# Altium PCB MB1166.PcbDoc (part 16 of 39) (continued)
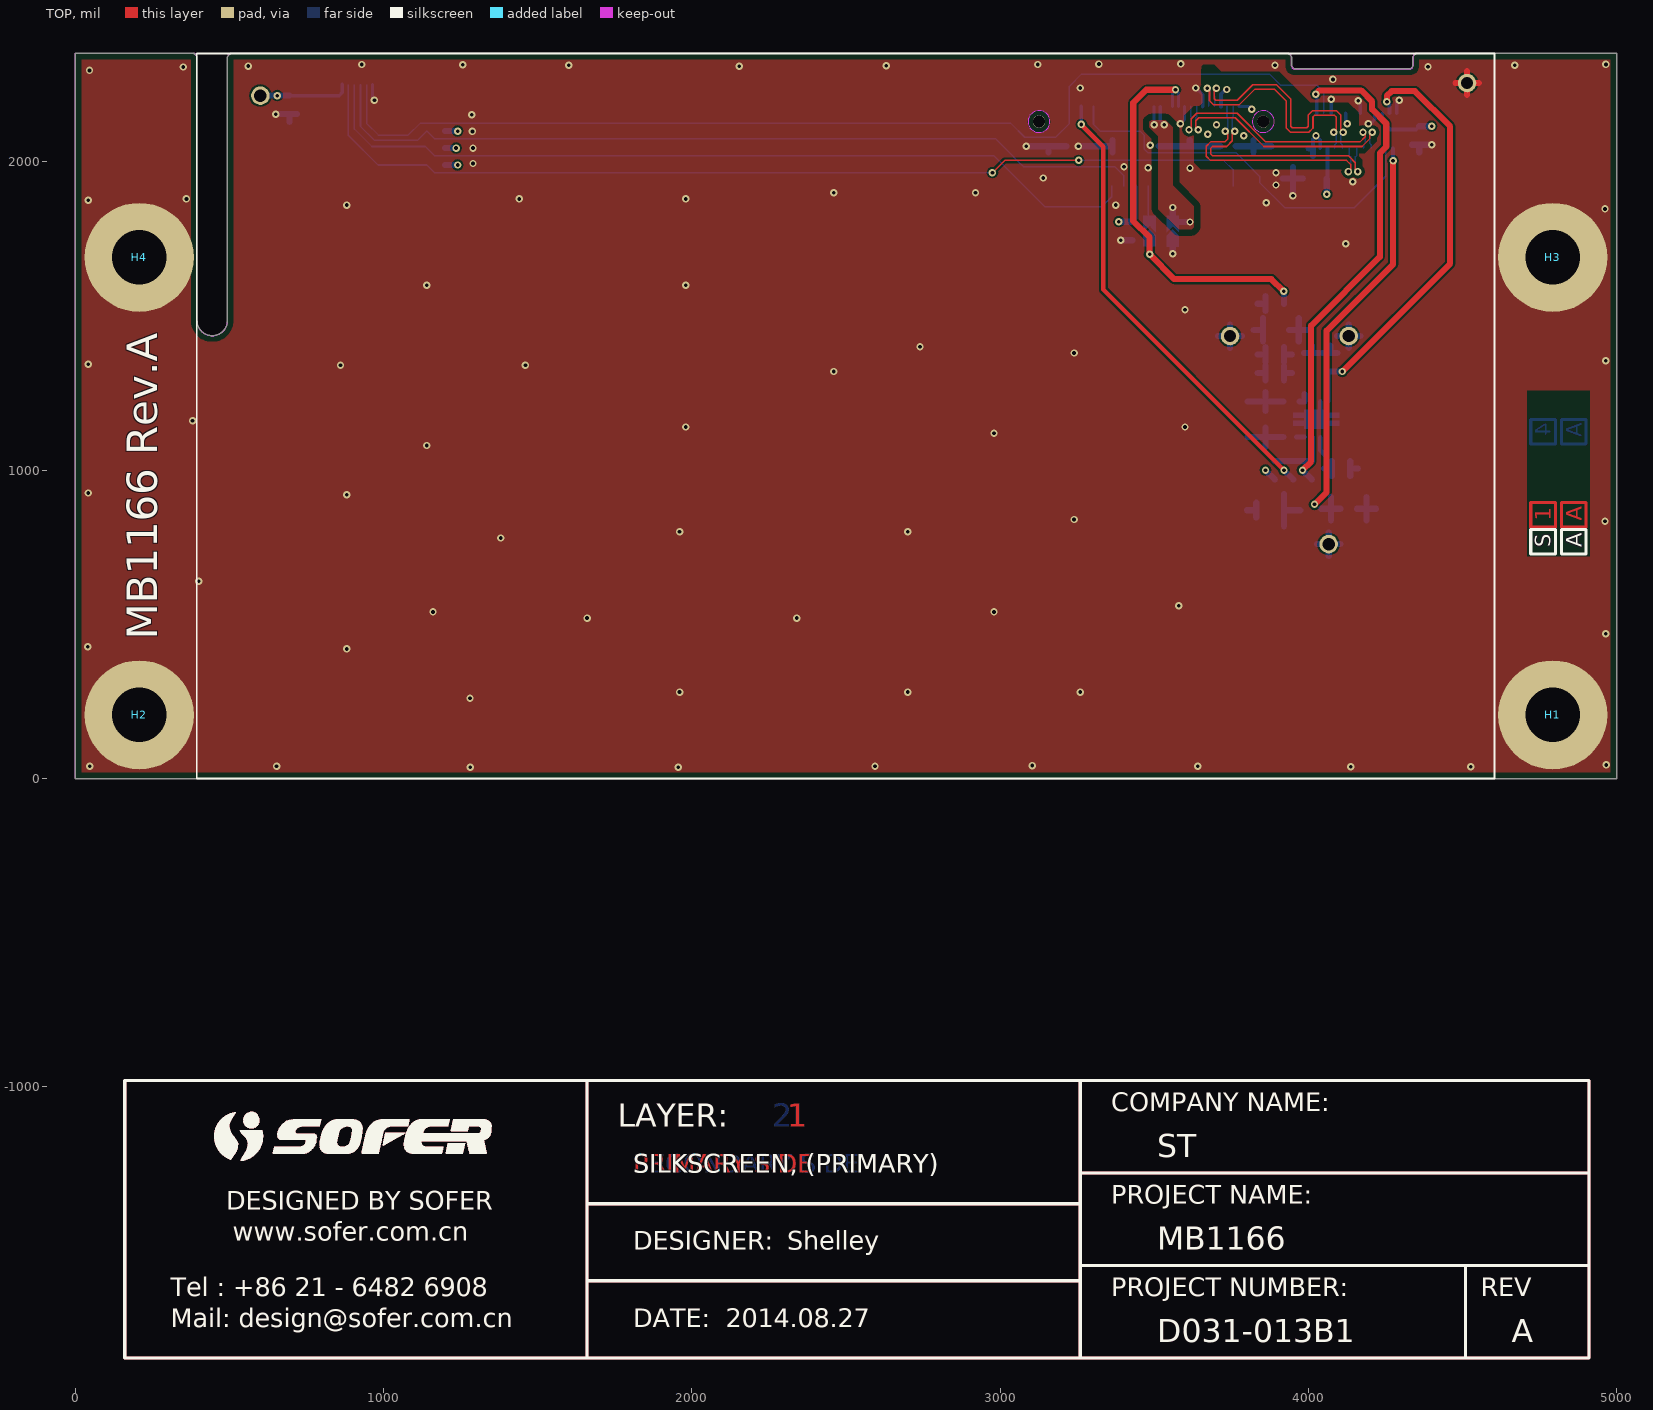
[diagram p0: TOP view]
## Nets (pads, with @x,y where several pads share a name; then routed paths per layer and width w, separated by ;. In a path a pad name is that pad's centre, name@x,y a point inside that pad or via, vN(x,y) a via of type N, cw(c..) or ccw(c..) an arc to the next point about the centre after c; other vN are vias at no path point) (continued)
; 481.05,-1100.28 481.12,-1100.21 ; 481.12,-1100.21 481.36,-1100.03 ; 481.12,-1100.21 481.36,-1100.03 ; 481.15,-1222.61 481.31,-1222.73 ; 481.15,-1222.61 481.31,-1222.73 ; 481.31,-1222.73 481.38,-1222.79 ; 481.31,-1222.73 481.38,-1222.79 ; 481.36,-1100.03 481.44,-1099.96 ; 481.36,-1100.03 481.44,-1099.96 ; 481.38,-1222.79 481.46,-1222.85 ; 481.38,-1222.79 481.46,-1222.85 ; 481.46,-1222.85 481.54,-1222.92 ; 481.46,-1222.85 481.54,-1222.92 ; 481.44,-1099.96 481.51,-1099.9 ; 481.44,-1099.96 481.51,-1099.9 ; 481.51,-1099.9 481.83,-1099.66 ; 481.51,-1099.9 481.83,-1099.66 ; 481.54,-1222.92 481.86,-1223.16 ; 481.54,-1222.92 481.86,-1223.16 ; 481.86,-1223.16 481.93,-1223.23 ; 481.86,-1223.16 481.93,-1223.23 ; 481.83,-1099.66 481.91,-1099.59 ; 481.83,-1099.66 481.91,-1099.59 ; 481.91,-1099.59 482.07,-1099.47 ; 481.91,-1099.59 482.07,-1099.47 ; 481.93,-1223.23 482.57,-1223.71 ; 481.93,-1223.23 482.57,-1223.71 ; 482.07,-1099.47 482.14,-1099.41 ; 482.07,-1099.47 482.14,-1099.41 ; 482.14,-1099.41 482.46,-1099.17 ; 482.14,-1099.41 482.46,-1099.17 ; 482.46,-1099.17 482.54,-1099.1 ; 482.46,-1099.17 482.54,-1099.1 ; 482.57,-1223.71 482.65,-1223.78 ; 482.57,-1223.71 482.65,-1223.78 ; 482.54,-1099.1 483.74,-1098.2 ; 482.54,-1099.1 483.74,-1098.2 ; 482.65,-1223.78 483.69,-1224.56 ; 482.65,-1223.78 483.69,-1224.56 ; 483.69,-1224.56 483.77,-1224.61 ; 483.69,-1224.56 483.77,-1224.61 ; 483.77,-1224.61 484.33,-1225.03 ; 483.77,-1224.61 484.33,-1225.03 ; 483.74,-1098.2 483.82,-1098.15 ; 483.74,-1098.2 483.82,-1098.15 ; 483.82,-1098.15 484.14,-1097.91 ; 483.82,-1098.15 484.14,-1097.91 ; 484.14,-1097.91 484.23,-1097.85 ; 484.14,-1097.91 484.23,-1097.85 ; 484.23,-1097.85 484.39,-1097.73 ; 484.23,-1097.85 484.39,-1097.73 ; 484.33,-1225.03 484.42,-1225.08 ; 484.33,-1225.03 484.42,-1225.08 ; 484.42,-1225.08 484.82,-1225.38 ; 484.42,-1225.08 484.82,-1225.38 ; 484.39,-1097.73 484.47,-1097.68 ; 484.39,-1097.73 484.47,-1097.68 ; 484.47,-1097.68 484.79,-1097.44 ; 484.47,-1097.68 484.79,-1097.44 ; 484.82,-1225.38 484.9,-1225.43 ; 484.82,-1225.38 484.9,-1225.43 ; 484.79,-1097.44 484.88,-1097.39 ; 484.79,-1097.44 484.88,-1097.39 ; 484.9,-1225.43 484.99,-1225.49 ; 484.9,-1225.43 484.99,-1225.49 ; 484.88,-1097.39 485.12,-1097.21 ; 484.88,-1097.39 485.12,-1097.21 ; 484.99,-1225.49 485.15,-1225.61 ; 484.99,-1225.49 485.15,-1225.61 ; 485.12,-1097.21 485.2,-1097.16 ; 485.12,-1097.21 485.2,-1097.16 ; 485.15,-1225.61 485.23,-1225.66 ; 485.15,-1225.61 485.23,-1225.66 ; 485.2,-1097.16 485.29,-1097.1 ; 485.2,-1097.16 485.29,-1097.1 ; 485.23,-1225.66 485.39,-1225.78 ; 485.23,-1225.66 485.39,-1225.78 ; 485.29,-1097.1 485.45,-1096.98 ; 485.29,-1097.1 485.45,-1096.98 ; 485.39,-1225.78 485.48,-1225.83 ; 485.39,-1225.78 485.48,-1225.83 ; 485.45,-1096.98 485.53,-1096.93 ; 485.45,-1096.98 485.53,-1096.93 ; 485.48,-1225.83 485.72,-1226.01 ; 485.48,-1225.83 485.72,-1226.01 ; 485.53,-1096.93 485.61,-1096.87 ; 485.53,-1096.93 485.61,-1096.87 ; 485.61,-1096.87 485.7,-1096.81 ; 485.61,-1096.87 485.7,-1096.81 ; 485.72,-1226.01 485.81,-1226.06 ; 485.72,-1226.01 485.81,-1226.06 ; 485.7,-1096.81 485.78,-1096.76 ; 485.7,-1096.81 485.78,-1096.76 ; 485.81,-1226.06 485.89,-1226.12 ; 485.81,-1226.06 485.89,-1226.12 ; 485.78,-1096.76 485.94,-1096.64 ; 485.78,-1096.76 485.94,-1096.64 ; 485.89,-1226.12 485.97,-1226.17 ; 485.89,-1226.12 485.97,-1226.17 ; 485.97,-1226.17 486.05,-1226.23 ; 485.97,-1226.17 486.05,-1226.23 ; 485.94,-1096.64 486.03,-1096.59 ; 485.94,-1096.64 486.03,-1096.59 ; 486.05,-1226.23 486.14,-1226.29 ; 486.05,-1226.23 486.14,-1226.29 ; 486.03,-1096.59 486.19,-1096.47 ; 486.03,-1096.59 486.19,-1096.47 ; 486.14,-1226.29 486.22,-1226.34 ; 486.14,-1226.29 486.22,-1226.34 ; 486.22,-1226.34 486.3,-1226.4 ; 486.22,-1226.34 486.3,-1226.4 ; 486.19,-1096.47 486.27,-1096.42 ; 486.19,-1096.47 486.27,-1096.42 ; 486.27,-1096.42 486.36,-1096.36 ; 486.27,-1096.42 486.36,-1096.36 ; 486.3,-1226.4 486.39,-1226.46 ; 486.3,-1226.4 486.39,-1226.46 ; 486.36,-1096.36 486.44,-1096.31 ; 486.36,-1096.36 486.44,-1096.31 ; 486.39,-1226.46 486.47,-1226.51 ; 486.39,-1226.46 486.47,-1226.51 ; 486.47,-1226.51 486.55,-1226.57 ; 486.47,-1226.51 486.55,-1226.57 ; 486.44,-1096.31 486.52,-1096.25 ; 486.44,-1096.31 486.52,-1096.25 ; 486.52,-1096.25 486.61,-1096.2 ; 486.52,-1096.25 486.61,-1096.2 ; 486.55,-1226.57 486.63,-1226.62 ; 486.55,-1226.57 486.63,-1226.62 ; 486.61,-1096.2 486.77,-1096.08 ; 486.61,-1096.2 486.77,-1096.08 ; 486.63,-1226.62 486.72,-1226.68 ; 486.63,-1226.62 486.72,-1226.68 ; 486.72,-1226.68 486.8,-1226.73 ; 486.72,-1226.68 486.8,-1226.73 ; 486.77,-1096.08 486.86,-1096.03 ; 486.77,-1096.08 486.86,-1096.03 ; 486.8,-1226.73 486.88,-1226.79 ; 486.8,-1226.73 486.88,-1226.79 ; 486.86,-1096.03 486.94,-1095.97 ; 486.86,-1096.03 486.94,-1095.97 ; 486.88,-1226.79 486.97,-1226.84 ; 486.88,-1226.79 486.97,-1226.84 ; 486.97,-1226.84 487.05,-1226.9 ; 486.97,-1226.84 487.05,-1226.9 ; 486.94,-1095.97 487.02,-1095.92 ; 486.94,-1095.97 487.02,-1095.92 ; 487.02,-1095.92 487.11,-1095.86 ; 487.02,-1095.92 487.11,-1095.86 ; 487.05,-1226.9 487.13,-1226.95 ; 487.05,-1226.9 487.13,-1226.95 ; 487.11,-1095.86 487.19,-1095.81 ; 487.11,-1095.86 487.19,-1095.81 ; 487.13,-1226.95 487.22,-1227.01 ; 487.13,-1226.95 487.22,-1227.01 ; 487.22,-1227.01 487.3,-1227.06 ; 487.22,-1227.01 487.3,-1227.06 ; 487.19,-1095.81 487.27,-1095.75 ; 487.19,-1095.81 487.27,-1095.75 ; 487.27,-1095.75 487.36,-1095.7 ; 487.27,-1095.75 487.36,-1095.7 ; 487.3,-1227.06 487.39,-1227.12 ; 487.3,-1227.06 487.39,-1227.12 ; 487.36,-1095.7 487.44,-1095.64 ; 487.36,-1095.7 487.44,-1095.64 ; 487.39,-1227.12 487.47,-1227.17 ; 487.39,-1227.12 487.47,-1227.17 ; 487.47,-1227.17 487.55,-1227.23 ; 487.47,-1227.17 487.55,-1227.23 ; 487.44,-1095.64 487.52,-1095.59 ; 487.44,-1095.64 487.52,-1095.59 ; 487.52,-1095.59 487.61,-1095.54 ; 487.52,-1095.59 487.61,-1095.54 ; 487.55,-1227.23 487.64,-1227.28 ; 487.55,-1227.23 487.64,-1227.28 ; 487.61,-1095.54 487.69,-1095.48 ; 487.61,-1095.54 487.69,-1095.48 ; 487.64,-1227.28 487.72,-1227.34 ; 487.64,-1227.28 487.72,-1227.34 ; 487.72,-1227.34 487.81,-1227.39 ; 487.72,-1227.34 487.81,-1227.39 ; 487.69,-1095.48 487.78,-1095.43 ; 487.69,-1095.48 487.78,-1095.43 ; 487.81,-1227.39 487.89,-1227.44 ; 487.81,-1227.39 487.89,-1227.44 ; 487.78,-1095.43 487.86,-1095.37 ; 487.78,-1095.43 487.86,-1095.37 ; 487.86,-1095.37 487.95,-1095.32 ; 487.86,-1095.37 487.95,-1095.32 ; 487.89,-1227.44 487.97,-1227.5 ; 487.89,-1227.44 487.97,-1227.5 ; 487.97,-1227.5 488.06,-1227.55 ; 487.97,-1227.5 488.06,-1227.55 ; 487.95,-1095.32 488.03,-1095.27 ; 487.95,-1095.32 488.03,-1095.27 ; 488.06,-1227.55 488.14,-1227.6 ; 488.06,-1227.55 488.14,-1227.6 ; 488.03,-1095.27 488.11,-1095.21 ; 488.03,-1095.27 488.11,-1095.21 ; 488.11,-1095.21 488.2,-1095.16 ; 488.11,-1095.21 488.2,-1095.16 ; 488.14,-1227.6 488.23,-1227.66 ; 488.14,-1227.6 488.23,-1227.66 ; 488.2,-1095.16 488.28,-1095.1 ; 488.2,-1095.16 488.28,-1095.1 ; 488.23,-1227.66 488.31,-1227.71 ; 488.23,-1227.66 488.31,-1227.71 ; 488.31,-1227.71 488.4,-1227.77 ; 488.31,-1227.71 488.4,-1227.77 ; 488.28,-1095.1 488.37,-1095.05 ; 488.28,-1095.1 488.37,-1095.05 ; 488.37,-1095.05 488.45,-1095 ; 488.37,-1095.05 488.45,-1095 ; 488.4,-1227.77 488.48,-1227.82 ; 488.4,-1227.77 488.48,-1227.82 ; 488.45,-1095 488.54,-1094.94 ; 488.45,-1095 488.54,-1094.94 ; 488.48,-1227.82 488.57,-1227.87 ; 488.48,-1227.82 488.57,-1227.87 ; 488.57,-1227.87 488.65,-1227.92 ; 488.57,-1227.87 488.65,-1227.92 ; 488.54,-1094.94 488.62,-1094.89 ; 488.54,-1094.94 488.62,-1094.89 ; 488.62,-1094.89 488.71,-1094.84 ; 488.62,-1094.89 488.71,-1094.84 ; 488.65,-1227.92 488.73,-1227.98 ; 488.65,-1227.92 488.73,-1227.98 ; 488.71,-1094.84 488.79,-1094.79 ; 488.71,-1094.84 488.79,-1094.79 ; 488.73,-1227.98 488.82,-1228.03 ; 488.73,-1227.98 488.82,-1228.03 ; 488.82,-1228.03 488.9,-1228.08 ; 488.82,-1228.03 488.9,-1228.08 ; 488.79,-1094.79 488.88,-1094.73 ; 488.79,-1094.79 488.88,-1094.73 ; 488.9,-1228.08 488.99,-1228.14 ; 488.9,-1228.08 488.99,-1228.14 ; 488.88,-1094.73 488.96,-1094.68 ; 488.88,-1094.73 488.96,-1094.68 ; 488.96,-1094.68 489.05,-1094.63 ; 488.96,-1094.68 489.05,-1094.63 ; 488.99,-1228.14 489.08,-1228.19 ; 488.99,-1228.14 489.08,-1228.19 ; 489.05,-1094.63 489.13,-1094.58 ; 489.05,-1094.63 489.13,-1094.58 ; 489.08,-1228.19 489.16,-1228.24 ; 489.08,-1228.19 489.16,-1228.24 ; 489.16,-1228.24 489.25,-1228.29 ; 489.16,-1228.24 489.25,-1228.29 ; 489.13,-1094.58 489.22,-1094.52 ; 489.13,-1094.58 489.22,-1094.52 ; 489.22,-1094.52 489.3,-1094.47 ; 489.22,-1094.52 489.3,-1094.47 ; 489.25,-1228.29 489.33,-1228.34 ; 489.25,-1228.29 489.33,-1228.34 ; 489.3,-1094.47 489.39,-1094.42 ; 489.3,-1094.47 489.39,-1094.42 ; 489.33,-1228.34 489.42,-1228.4 ; 489.33,-1228.34 489.42,-1228.4 ; 489.42,-1228.4 489.5,-1228.45 ; 489.42,-1228.4 489.5,-1228.45 ; 489.39,-1094.42 489.47,-1094.37 ; 489.39,-1094.42 489.47,-1094.37 ; 489.47,-1094.37 489.56,-1094.32 ; 489.47,-1094.37 489.56,-1094.32 ; 489.5,-1228.45 489.59,-1228.5 ; 489.5,-1228.45 489.59,-1228.5 ; 489.56,-1094.32 489.64,-1094.26 ; 489.56,-1094.32 489.64,-1094.26 ; 489.59,-1228.5 489.67,-1228.55 ; 489.59,-1228.5 489.67,-1228.55 ; 489.67,-1228.55 489.76,-1228.6 ; 489.67,-1228.55 489.76,-1228.6 ; 489.64,-1094.26 489.82,-1094.16 ; 489.64,-1094.26 489.82,-1094.16 ; 489.76,-1228.6 489.84,-1228.66 ; 489.76,-1228.6 489.84,-1228.66 ; 489.82,-1094.16 489.9,-1094.11 ; 489.82,-1094.16 489.9,-1094.11 ; 489.84,-1228.66 490.02,-1228.76 ; 489.84,-1228.66 490.02,-1228.76 ; 489.9,-1094.11 489.99,-1094.06 ; 489.9,-1094.11 489.99,-1094.06 ; 490.02,-1228.76 490.1,-1228.81 ; 490.02,-1228.76 490.1,-1228.81 ; 489.99,-1094.06 490.07,-1094.01 ; 489.99,-1094.06 490.07,-1094.01 ; 490.07,-1094.01 490.16,-1093.96 ; 490.07,-1094.01 490.16,-1093.96 ; 490.1,-1228.81 490.19,-1228.86 ; 490.1,-1228.81 490.19,-1228.86 ; 490.16,-1093.96 490.24,-1093.9 ; 490.16,-1093.96 490.24,-1093.9 ; 490.19,-1228.86 490.27,-1228.91 ; 490.19,-1228.86 490.27,-1228.91 ; 490.27,-1228.91 490.45,-1229.01 ; 490.27,-1228.91 490.45,-1229.01 ; 490.24,-1093.9 490.42,-1093.8 ; 490.24,-1093.9 490.42,-1093.8 ; 490.42,-1093.8 490.5,-1093.75 ; 490.42,-1093.8 490.5,-1093.75 ; 490.45,-1229.01 490.53,-1229.06 ; 490.45,-1229.01 490.53,-1229.06 ; 490.5,-1093.75 490.68,-1093.65 ; 490.5,-1093.75 490.68,-1093.65 ; 490.53,-1229.06 490.62,-1229.11 ; 490.53,-1229.06 490.62,-1229.11 ; 490.62,-1229.11 490.7,-1229.16 ; 490.62,-1229.11 490.7,-1229.16 ; 490.7,-1229.16 490.79,-1229.21 ; 490.7,-1229.16 490.79,-1229.21 ; 490.68,-1093.65 490.76,-1093.6 ; 490.68,-1093.65 490.76,-1093.6 ; 490.76,-1093.6 490.94,-1093.5 ; 490.76,-1093.6 490.94,-1093.5 ; 490.79,-1229.21 490.88,-1229.27 ; 490.79,-1229.21 490.88,-1229.27 ; 490.88,-1229.27 490.96,-1229.32 ; 490.88,-1229.27 490.96,-1229.32 ; 490.96,-1229.32 491.05,-1229.37 ; 490.96,-1229.32 491.05,-1229.37 ; 490.94,-1093.5 491.02,-1093.45 ; 490.94,-1093.5 491.02,-1093.45 ; 491.02,-1093.45 491.2,-1093.35 ; 491.02,-1093.45 491.2,-1093.35 ; 491.05,-1229.37 491.14,-1229.41 ; 491.05,-1229.37 491.14,-1229.41 ; 491.14,-1229.41 491.22,-1229.46 ; 491.14,-1229.41 491.22,-1229.46 ; 491.22,-1229.46 491.49,-1229.61 ; 491.22,-1229.46 491.49,-1229.61 ; 491.2,-1093.35 491.28,-1093.3 ; 491.2,-1093.35 491.28,-1093.3 ; 491.28,-1093.3 491.46,-1093.2 ; 491.28,-1093.3 491.46,-1093.2 ; 491.46,-1093.2 491.54,-1093.15 ; 491.46,-1093.2 491.54,-1093.15 ; 491.49,-1229.61 491.57,-1229.66 ; 491.49,-1229.61 491.57,-1229.66 ; 491.57,-1229.66 491.75,-1229.76 ; 491.57,-1229.66 491.75,-1229.76 ; 491.54,-1093.15 491.72,-1093.05 ; 491.54,-1093.15 491.72,-1093.05 ; 491.72,-1093.05 491.8,-1093.01 ; 491.72,-1093.05 491.8,-1093.01 ; 491.75,-1229.76 491.83,-1229.81 ; 491.75,-1229.76 491.83,-1229.81 ; 491.8,-1093.01 492.07,-1092.86 ; 491.8,-1093.01 492.07,-1092.86 ; 491.83,-1229.81 492.1,-1229.96 ; 491.83,-1229.81 492.1,-1229.96 ; 492.07,-1092.86 492.15,-1092.81 ; 492.07,-1092.86 492.15,-1092.81 ; 492.1,-1229.96 492.18,-1230 ; 492.1,-1229.96 492.18,-1230 ; 492.15,-1092.81 492.33,-1092.71 ; 492.15,-1092.81 492.33,-1092.71 ; 492.18,-1230 492.45,-1230.15 ; 492.18,-1230 492.45,-1230.15 ; 492.33,-1092.71 492.42,-1092.67 ; 492.33,-1092.71 492.42,-1092.67 ; 492.42,-1092.67 492.5,-1092.62 ; 492.42,-1092.67 492.5,-1092.62 ; 492.45,-1230.15 492.53,-1230.2 ; 492.45,-1230.15 492.53,-1230.2 ; 492.5,-1092.62 492.77,-1092.47 ; 492.5,-1092.62 492.77,-1092.47 ; 492.53,-1230.2 492.62,-1230.25 ; 492.53,-1230.2 492.62,-1230.25 ; 492.62,-1230.25 492.71,-1230.29 ; 492.62,-1230.25 492.71,-1230.29 ; 492.71,-1230.29 492.8,-1230.34 ; 492.71,-1230.29 492.8,-1230.34 ; 492.77,-1092.47 492.85,-1092.43 ; 492.77,-1092.47 492.85,-1092.43 ; 492.8,-1230.34 492.88,-1230.39 ; 492.8,-1230.34 492.88,-1230.39 ; 492.85,-1092.43 493.12,-1092.28 ; 492.85,-1092.43 493.12,-1092.28 ; 492.88,-1230.39 492.97,-1230.44 ; 492.88,-1230.39 492.97,-1230.44 ; 492.97,-1230.44 493.06,-1230.48 ; 492.97,-1230.44 493.06,-1230.48 ; 493.06,-1230.48 493.33,-1230.63 ; 493.06,-1230.48 493.33,-1230.63 ; 493.12,-1092.28 493.21,-1092.24 ; 493.12,-1092.28 493.21,-1092.24 ; 493.21,-1092.24 493.3,-1092.19 ; 493.21,-1092.24 493.3,-1092.19 ; 493.3,-1092.19 493.38,-1092.14 ; 493.3,-1092.19 493.38,-1092.14 ; 493.33,-1230.63 493.41,-1230.67 ; 493.33,-1230.63 493.41,-1230.67 ; 493.41,-1230.67 493.59,-1230.77 ; 493.41,-1230.67 493.59,-1230.77 ; 493.38,-1092.14 493.47,-1092.1 ; 493.38,-1092.14 493.47,-1092.1 ; 493.47,-1092.1 493.65,-1092 ; 493.47,-1092.1 493.65,-1092 ; 493.59,-1230.77 493.68,-1230.81 ; 493.59,-1230.77 493.68,-1230.81 ; 493.65,-1092 493.74,-1091.96 ; 493.65,-1092 493.74,-1091.96 ; 493.68,-1230.81 493.86,-1230.91 ; 493.68,-1230.81 493.86,-1230.91 ; 493.74,-1091.96 493.83,-1091.91 ; 493.74,-1091.96 493.83,-1091.91 ; 493.86,-1230.91 493.94,-1230.95 ; 493.86,-1230.91 493.94,-1230.95 ; 493.83,-1091.91 493.91,-1091.86 ; 493.83,-1091.91 493.91,-1091.86 ; 493.91,-1091.86 494,-1091.82 ; 493.91,-1091.86 494,-1091.82 ; 493.94,-1230.95 494.03,-1231 ; 493.94,-1230.95 494.03,-1231 ; 494,-1091.82 494.18,-1091.72 ; 494,-1091.82 494.18,-1091.72 ; 494.03,-1231 494.12,-1231.04 ; 494.03,-1231 494.12,-1231.04 ; 494.12,-1231.04 494.3,-1231.14 ; 494.12,-1231.04 494.3,-1231.14 ; 494.18,-1091.72 494.27,-1091.68 ; 494.18,-1091.72 494.27,-1091.68 ; 494.27,-1091.68 494.36,-1091.63 ; 494.27,-1091.68 494.36,-1091.63 ; 494.3,-1231.14 494.39,-1231.18 ; 494.3,-1231.14 494.39,-1231.18 ; 494.36,-1091.63 494.45,-1091.59 ; 494.36,-1091.63 494.45,-1091.59 ; 494.39,-1231.18 494.48,-1231.23 ; 494.39,-1231.18 494.48,-1231.23 ; 494.45,-1091.59 494.54,-1091.54 ; 494.45,-1091.59 494.54,-1091.54 ; 494.48,-1231.23 494.57,-1231.27 ; 494.48,-1231.23 494.57,-1231.27 ; 494.57,-1231.27 494.66,-1231.32 ; 494.57,-1231.27 494.66,-1231.32 ; 494.54,-1091.54 494.63,-1091.5 ; 494.54,-1091.54 494.63,-1091.5 ; 494.66,-1231.32 494.74,-1231.36 ; 494.66,-1231.32 494.74,-1231.36 ; 494.63,-1091.5 494.71,-1091.45 ; 494.63,-1091.5 494.71,-1091.45 ; 494.71,-1091.45 494.8,-1091.41 ; 494.71,-1091.45 494.8,-1091.41 ; 494.74,-1231.36 494.83,-1231.41 ; 494.74,-1231.36 494.83,-1231.41 ; 494.8,-1091.41 494.89,-1091.36 ; 494.8,-1091.41 494.89,-1091.36 ; 494.83,-1231.41 494.92,-1231.45 ; 494.83,-1231.41 494.92,-1231.45 ; 494.92,-1231.45 495.01,-1231.5 ; 494.92,-1231.45 495.01,-1231.5 ; 494.89,-1091.36 494.98,-1091.32 ; 494.89,-1091.36 494.98,-1091.32 ; 495.01,-1231.5 495.1,-1231.54 ; 495.01,-1231.5 495.1,-1231.54 ; 494.98,-1091.32 495.07,-1091.27 ; 494.98,-1091.32 495.07,-1091.27 ; 495.07,-1091.27 495.16,-1091.23 ; 495.07,-1091.27 495.16,-1091.23 ; 495.1,-1231.54 495.19,-1231.59 ; 495.1,-1231.54 495.19,-1231.59 ; 495.16,-1091.23 495.25,-1091.18 ; 495.16,-1091.23 495.25,-1091.18 ; 495.19,-1231.59 495.28,-1231.63 ; 495.19,-1231.59 495.28,-1231.63 ; 495.25,-1091.18 495.34,-1091.14 ; 495.25,-1091.18 495.34,-1091.14 ; 495.28,-1231.63 495.37,-1231.68 ; 495.28,-1231.63 495.37,-1231.68 ; 495.37,-1231.68 495.46,-1231.72 ; 495.37,-1231.68 495.46,-1231.72 ; 495.34,-1091.14 495.43,-1091.09 ; 495.34,-1091.14 495.43,-1091.09 ; 495.46,-1231.72 495.55,-1231.77 ; 495.46,-1231.72 495.55,-1231.77 ; 495.43,-1091.09 495.52,-1091.05 ; 495.43,-1091.09 495.52,-1091.05 ; 495.52,-1091.05 495.61,-1091 ; 495.52,-1091.05 495.61,-1091 ; 495.55,-1231.77 495.73,-1231.85 ; 495.55,-1231.77 495.73,-1231.85 ; 495.61,-1091 495.79,-1090.92 ; 495.61,-1091 495.79,-1090.92 ; 495.73,-1231.85 495.82,-1231.9 ; 495.73,-1231.85 495.82,-1231.9 ; 495.82,-1231.9 496,-1231.98 ; 495.82,-1231.9 496,-1231.98 ; 495.79,-1090.92 495.88,-1090.87 ; 495.79,-1090.92 495.88,-1090.87 ; 495.88,-1090.87 496.06,-1090.79 ; 495.88,-1090.87 496.06,-1090.79 ; 496,-1231.98 496.09,-1232.03 ; 496,-1231.98 496.09,-1232.03 ; 496.06,-1090.79 496.15,-1090.74 ; 496.06,-1090.79 496.15,-1090.74 ; 496.09,-1232.03 496.27,-1232.11 ; 496.09,-1232.03 496.27,-1232.11 ; 496.15,-1090.74 496.33,-1090.66 ; 496.15,-1090.74 496.33,-1090.66 ; 496.27,-1232.11 496.36,-1232.16 ; 496.27,-1232.11 496.36,-1232.16 ; 496.36,-1232.16 496.54,-1232.24 ; 496.36,-1232.16 496.54,-1232.24 ; 496.33,-1090.66 496.42,-1090.61 ; 496.33,-1090.66 496.42,-1090.61 ; 496.42,-1090.61 496.6,-1090.53 ; 496.42,-1090.61 496.6,-1090.53 ; 496.54,-1232.24 496.63,-1232.29 ; 496.54,-1232.24 496.63,-1232.29 ; 496.6,-1090.53 496.69,-1090.48 ; 496.6,-1090.53 496.69,-1090.48 ; 496.63,-1232.29 496.9,-1232.41 ; 496.63,-1232.29 496.9,-1232.41 ; 496.69,-1090.48 496.96,-1090.36 ; 496.69,-1090.48 496.96,-1090.36 ; 496.9,-1232.41 496.99,-1232.46 ; 496.9,-1232.41 496.99,-1232.46 ; 496.96,-1090.36 497.05,-1090.31 ; 496.96,-1090.36 497.05,-1090.31 ; 496.99,-1232.46 497.26,-1232.58 ; 496.99,-1232.46 497.26,-1232.58 ; 497.05,-1090.31 497.32,-1090.19 ; 497.05,-1090.31 497.32,-1090.19 ; 497.26,-1232.58 497.36,-1232.63 ; 497.26,-1232.58 497.36,-1232.63 ; 497.32,-1090.19 497.42,-1090.15 ; 497.32,-1090.19 497.42,-1090.15 ; 497.36,-1232.63 497.9,-1232.87 ; 497.36,-1232.63 497.9,-1232.87 ; 497.42,-1090.15 497.51,-1090.1 ; 497.42,-1090.15 497.51,-1090.1 ; 497.51,-1090.1 498.05,-1089.86 ; 497.51,-1090.1 498.05,-1089.86 ; 497.9,-1232.87 497.99,-1232.92 ; 497.9,-1232.87 497.99,-1232.92 ; 497.99,-1232.92 498.17,-1233 ; 497.99,-1232.92 498.17,-1233 ; 498.05,-1089.86 498.14,-1089.81 ; 498.05,-1089.86 498.14,-1089.81 ; 498.17,-1233 498.27,-1233.04 ; 498.17,-1233 498.27,-1233.04 ; 498.14,-1089.81 498.24,-1089.77 ; 498.14,-1089.81 498.24,-1089.77 ; 498.27,-1233.04 498.72,-1233.24 ; 498.27,-1233.04 498.72,-1233.24 ; 498.24,-1089.77 498.78,-1089.53 ; 498.24,-1089.77 498.78,-1089.53 ; 498.72,-1233.24 498.82,-1233.28 ; 498.72,-1233.24 498.82,-1233.28 ; 498.72,-1130.07 498.72,-1129.67 ; 498.72,-1130.07 498.73,-1130.17 ; 498.72,-1130.07 498.72,-1129.67 ; 498.72,-1130.07 498.73,-1130.17 ; 498.72,-1129.67 498.73,-1129.57 ; 498.72,-1129.67 498.73,-1129.57 ; 498.77,-1132.17 498.77,-1131.97 ; 498.77,-1132.17 498.78,-1132.27 ; 498.77,-1132.17 498.77,-1131.97 ; 498.77,-1132.17 498.78,-1132.27 ; 498.77,-1131.97 498.76,-1131.87 ; 498.77,-1131.97 498.76,-1131.87 ; 498.76,-1131.87 498.76,-1131.77 ; 498.76,-1131.87 498.76,-1131.77 ; 498.76,-1131.77 498.75,-1131.67 ; 498.76,-1131.77 498.75,-1131.67 ; 498.75,-1131.67 498.75,-1131.37 ; 498.75,-1131.67 498.75,-1131.37 ; 498.75,-1131.37 498.74,-1131.27 ; 498.75,-1131.37 498.74,-1131.27 ; 498.74,-1131.27 498.74,-1130.97 ; 498.74,-1131.27 498.74,-1130.97 ; 498.74,-1130.97 498.73,-1130.87 ; 498.74,-1130.97 498.73,-1130.87 ; 498.73,-1130.87 498.73,-1130.17 ; 498.73,-1130.87 498.73,-1130.17 ; 498.73,-1129.57 498.73,-1128.87 ; 498.73,-1129.57 498.73,-1128.87 ; 498.73,-1128.87 498.74,-1128.77 ; 498.73,-1128.87 498.74,-1128.77 ; 498.74,-1128.77 498.74,-1128.47 ; 498.74,-1128.77 498.74,-1128.47 ; 498.74,-1128.47 498.75,-1128.37 ; 498.74,-1128.47 498.75,-1128.37 ; 498.75,-1128.37 498.75,-1128.17 ; 498.75,-1128.37 498.75,-1128.17 ; 498.75,-1128.17 498.76,-1128.07 ; 498.75,-1128.17 498.76,-1128.07 ; 498.76,-1128.07 498.76,-1127.87 ; 498.76,-1128.07 498.76,-1127.87 ; 498.76,-1127.87 498.77,-1127.77 ; 498.76,-1127.87 498.77,-1127.77 ; 498.77,-1127.77 498.77,-1127.67 ; 498.77,-1127.77 498.77,-1127.67 ; 498.77,-1127.67 498.78,-1127.57 ; 498.77,-1127.67 498.78,-1127.57 ; 498.82,-1233.28 499.27,-1233.48 ; 498.82,-1233.28 499.27,-1233.48 ; 498.82,-1133.07 498.82,-1132.97 ; 498.82,-1133.07 498.84,-1133.27 ; 498.82,-1133.07 498.82,-1132.97 ; 498.82,-1133.07 498.84,-1133.27 ; 498.82,-1132.97 498.8,-1132.77 ; 498.82,-1132.97 498.8,-1132.77 ; 498.8,-1132.77 498.8,-1132.67 ; 498.8,-1132.77 498.8,-1132.67 ; 498.8,-1132.67 498.79,-1132.57 ; 498.8,-1132.67 498.79,-1132.57 ; 498.79,-1132.57 498.79,-1132.47 ; 498.79,-1132.57 498.79,-1132.47 ; 498.79,-1132.47 498.78,-1132.37 ; 498.79,-1132.47 498.78,-1132.37 ; 498.78,-1132.37 498.78,-1132.27 ; 498.78,-1132.37 498.78,-1132.27 ; 498.78,-1127.57 498.78,-1127.47 ; 498.78,-1127.57 498.78,-1127.47 ; 498.78,-1127.47 498.79,-1127.37 ; 498.78,-1127.47 498.79,-1127.37 ; 498.79,-1127.37 498.79,-1127.27 ; 498.79,-1127.37 498.79,-1127.27 ; 498.79,-1127.27 498.8,-1127.17 ; 498.79,-1127.27 498.8,-1127.17 ; 498.8,-1127.17 498.8,-1127.07 ; 498.8,-1127.17 498.8,-1127.07 ; 498.8,-1127.07 498.81,-1126.97 ; 498.8,-1127.07 498.81,-1126.97 ; 498.81,-1126.97 498.81,-1126.87 ; 498.81,-1126.97 498.81,-1126.87 ; 498.81,-1126.87 498.83,-1126.67 ; 498.81,-1126.87 498.83,-1126.67 ; 498.78,-1089.53 498.88,-1089.49 ; 498.78,-1089.53 498.88,-1089.49 ; 498.86,-1133.67 498.86,-1133.57 ; 498.86,-1133.67 498.9,-1134.07 ; 498.86,-1133.67 498.86,-1133.57 ; 498.86,-1133.67 498.9,-1134.07 ; 498.86,-1133.57 498.84,-1133.37 ; 498.86,-1133.57 498.84,-1133.37 ; 498.84,-1133.37 498.84,-1133.27 ; 498.84,-1133.37 498.84,-1133.27 ; 498.83,-1126.67 498.83,-1126.57 ; 498.83,-1126.67 498.83,-1126.57 ; 498.83,-1126.57 498.85,-1126.37 ; 498.83,-1126.57 498.85,-1126.37 ; 498.85,-1126.37 498.85,-1126.27 ; 498.85,-1126.37 498.85,-1126.27 ; 498.85,-1126.27 498.88,-1125.97 ; 498.85,-1126.27 498.88,-1125.97 ; 498.92,-1134.36 498.91,-1134.27 ; 498.92,-1134.36 499.05,-1135.66 ; 498.92,-1134.36 498.91,-1134.27 ; 498.92,-1134.36 499.05,-1135.66 ; 498.91,-1134.27 498.9,-1134.17 ; 498.91,-1134.27 498.9,-1134.17 ; 498.9,-1134.17 498.9,-1134.07 ; 498.9,-1134.17 498.9,-1134.07 ; 498.88,-1125.97 498.88,-1125.87 ; 498.88,-1125.97 498.88,-1125.87 ; 498.88,-1125.87 498.89,-1125.78 ; 498.88,-1125.87 498.89,-1125.78 ; 498.89,-1125.78 499.05,-1124.18 ; 498.89,-1125.78 499.05,-1124.18 ; 498.88,-1089.49 499.33,-1089.29 ; 498.88,-1089.49 499.33,-1089.29 ; 499.07,-1135.76 499.05,-1135.66 ; 499.07,-1135.76 499.09,-1135.96 ; 499.07,-1135.76 499.05,-1135.66 ; 499.07,-1135.76 499.09,-1135.96 ; 499.05,-1124.18 499.07,-1124.08 ; 499.05,-1124.18 499.07,-1124.08 ; 499.07,-1124.08 499.08,-1123.99 ; 499.07,-1124.08 499.08,-1123.99 ; 499.12,-1136.15 499.1,-1136.05 ; 499.12,-1136.15 499.14,-1136.35 ; 499.12,-1136.15 499.1,-1136.05 ; 499.12,-1136.15 499.14,-1136.35 ; 499.1,-1136.05 499.09,-1135.96 ; 499.1,-1136.05 499.09,-1135.96 ; 499.08,-1123.99 499.1,-1123.79 ; 499.08,-1123.99 499.1,-1123.79 ; 499.1,-1123.79 499.12,-1123.69 ; 499.1,-1123.79 499.12,-1123.69 ; 499.12,-1123.69 499.14,-1123.49 ; 499.12,-1123.69 499.14,-1123.49 ; 499.16,-1136.45 499.14,-1136.35 ; 499.16,-1136.45 499.18,-1136.65 ; 499.16,-1136.45 499.14,-1136.35 ; 499.16,-1136.45 499.18,-1136.65 ; 499.14,-1123.49 499.16,-1123.39 ; 499.14,-1123.49 499.16,-1123.39 ; 499.16,-1123.39 499.18,-1123.19 ; 499.16,-1123.39 499.18,-1123.19 ; 499.21,-1136.85 499.2,-1136.75 ; 499.21,-1136.85 499.23,-1136.95 ; 499.21,-1136.85 499.2,-1136.75 ; 499.21,-1136.85 499.23,-1136.95 ; 499.2,-1136.75 499.18,-1136.65 ; 499.2,-1136.75 499.18,-1136.65 ; 499.18,-1123.19 499.2,-1123.09 ; 499.18,-1123.19 499.2,-1123.09 ; 499.2,-1123.09 499.21,-1122.99 ; 499.2,-1123.09 499.21,-1122.99 ; 499.21,-1122.99 499.23,-1122.9 ; 499.21,-1122.99 499.23,-1122.9 ; 499.27,-1233.48 499.37,-1233.52 ; 499.27,-1233.48 499.37,-1233.52 ; 499.27,-1137.24 499.26,-1137.14 ; 499.27,-1137.24 499.29,-1137.34 ; 499.27,-1137.24 499.26,-1137.14 ; 499.27,-1137.24 499.29,-1137.34 ; 499.26,-1137.14 499.24,-1137.05 ; 499.26,-1137.14 499.24,-1137.05 ; 499.24,-1137.05 499.23,-1136.95 ; 499.24,-1137.05 499.23,-1136.95 ; 499.23,-1122.9 499.24,-1122.8 ; 499.23,-1122.9 499.24,-1122.8 ; 499.24,-1122.8 499.26,-1122.7 ; 499.24,-1122.8 499.26,-1122.7 ; 499.26,-1122.7 499.27,-1122.6 ; 499.26,-1122.7 499.27,-1122.6 ; 499.27,-1122.6 499.31,-1122.4 ; 499.27,-1122.6 499.31,-1122.4 ; 499.32,-1137.54 499.3,-1137.44 ; 499.32,-1137.54 499.33,-1137.64 ; 499.32,-1137.54 499.3,-1137.44 ; 499.32,-1137.54 499.33,-1137.64 ; 499.3,-1137.44 499.29,-1137.34 ; 499.3,-1137.44 499.29,-1137.34 ; 499.31,-1122.4 499.32,-1122.3 ; 499.31,-1122.4 499.32,-1122.3 ; 499.32,-1122.3 499.34,-1122.2 ; 499.32,-1122.3 499.34,-1122.2 ; 499.37,-1233.52 499.64,-1233.64 ; 499.37,-1233.52 499.64,-1233.64 ; 499.37,-1137.84 499.33,-1137.64 ; 499.37,-1137.84 499.38,-1137.93 ; 499.37,-1137.84 499.33,-1137.64 ; 499.37,-1137.84 499.38,-1137.93 ; 499.34,-1122.2 499.35,-1122.11 ; 499.34,-1122.2 499.35,-1122.11 ; 499.35,-1122.11 499.41,-1121.81 ; 499.35,-1122.11 499.41,-1121.81 ; 499.33,-1089.29 499.43,-1089.25 ; 499.33,-1089.29 499.43,-1089.25 ; 499.42,-1138.13 499.38,-1137.93 ; 499.42,-1138.13 499.43,-1138.23 ; 499.42,-1138.13 499.38,-1137.93 ; 499.42,-1138.13 499.43,-1138.23 ; 499.41,-1121.81 499.42,-1121.71 ; 499.41,-1121.81 499.42,-1121.71 ; 499.42,-1121.71 499.46,-1121.51 ; 499.42,-1121.71 499.46,-1121.51 ; 499.47,-1138.43 499.43,-1138.23 ; 499.47,-1138.43 499.49,-1138.52 ; 499.47,-1138.43 499.43,-1138.23 ; 499.47,-1138.43 499.49,-1138.52 ; 499.46,-1121.51 499.48,-1121.42 ; 499.46,-1121.51 499.48,-1121.42 ; 499.43,-1089.25 499.52,-1089.21 ; 499.43,-1089.25 499.52,-1089.21 ; 499.49,-1138.52 499.53,-1138.72 ; 499.49,-1138.52 499.53,-1138.72 ; 499.48,-1121.42 499.5,-1121.32 ; 499.48,-1121.42 499.5,-1121.32 ; 499.5,-1121.32 499.51,-1121.22 ; 499.5,-1121.32 499.51,-1121.22 ; 499.51,-1121.22 499.55,-1121.02 ; 499.51,-1121.22 499.55,-1121.02 ; 499.52,-1089.21 499.61,-1089.18 ; 499.52,-1089.21 499.61,-1089.18 ; 499.54,-1138.82 499.53,-1138.72 ; 499.54,-1138.82 499.58,-1139.02 ; 499.54,-1138.82 499.53,-1138.72 ; 499.54,-1138.82 499.58,-1139.02 ; 499.55,-1121.02 499.57,-1120.93 ; 499.55,-1121.02 499.57,-1120.93 ; 499.57,-1120.93 499.65,-1120.53 ; 499.57,-1120.93 499.65,-1120.53 ; 499.6,-1139.11 499.58,-1139.02 ; 499.6,-1139.11 499.68,-1139.51 ; 499.6,-1139.11 499.58,-1139.02 ; 499.6,-1139.11 499.68,-1139.51 ; 499.61,-1089.18 499.7,-1089.14 ; 499.61,-1089.18 499.7,-1089.14 ; 499.64,-1233.64 499.73,-1233.67 ; 499.64,-1233.64 499.73,-1233.67 ; 499.65,-1120.53 499.67,-1120.44 ; 499.65,-1120.53 499.67,-1120.44 ; 499.67,-1120.44 499.71,-1120.24 ; 499.67,-1120.44 499.71,-1120.24 ; 499.72,-1139.7 499.7,-1139.6 ; 499.72,-1139.7 499.75,-1139.8 ; 499.72,-1139.7 499.7,-1139.6 ; 499.72,-1139.7 499.75,-1139.8 ; 499.7,-1139.6 499.68,-1139.51 ; 499.7,-1139.6 499.68,-1139.51 ; 499.71,-1120.24 499.74,-1120.14 ; 499.71,-1120.24 499.74,-1120.14 ; 499.7,-1089.14 499.8,-1089.1 ; 499.7,-1089.14 499.8,-1089.1 ; 499.73,-1233.67 499.83,-1233.71 ; 499.73,-1233.67 499.83,-1233.71 ; 499.77,-1139.9 499.75,-1139.8 ; 499.77,-1139.9 499.79,-1139.99 ; 499.77,-1139.9 499.75,-1139.8 ; 499.77,-1139.9 499.79,-1139.99 ; 499.74,-1120.14 499.76,-1120.04 ; 499.74,-1120.14 499.76,-1120.04 ; 499.76,-1120.04 499.78,-1119.95 ; 499.76,-1120.04 499.78,-1119.95 ; 499.79,-1139.99 499.83,-1140.19 ; 499.79,-1139.99 499.83,-1140.19 ; 499.78,-1119.95 499.82,-1119.75 ; 499.78,-1119.95 499.82,-1119.75 ; 499.82,-1119.75 499.85,-1119.65 ; 499.82,-1119.75 499.85,-1119.65 ; 499.8,-1089.1 500.16,-1088.94 ; 499.8,-1089.1 500.16,-1088.94 ; 499.83,-1233.71 500.1,-1233.83 ; 499.83,-1233.71 500.1,-1233.83 ; 499.86,-1140.29 499.83,-1140.19 ; 499.86,-1140.29 499.88,-1140.38 ; 499.86,-1140.29 499.83,-1140.19 ; 499.86,-1140.29 499.88,-1140.38 ; 499.85,-1119.65 499.87,-1119.56 ; 499.85,-1119.65 499.87,-1119.56 ; 499.87,-1119.56 499.89,-1119.46 ; 499.87,-1119.56 499.89,-1119.46 ; 499.92,-1140.58 499.88,-1140.38 ; 499.92,-1140.58 499.95,-1140.68 ; 499.92,-1140.58 499.88,-1140.38 ; 499.92,-1140.58 499.95,-1140.68 ; 499.89,-1119.46 499.92,-1119.36 ; 499.89,-1119.46 499.92,-1119.36